# Altium PCB MidFlg_V2.PcbDoc (continued)
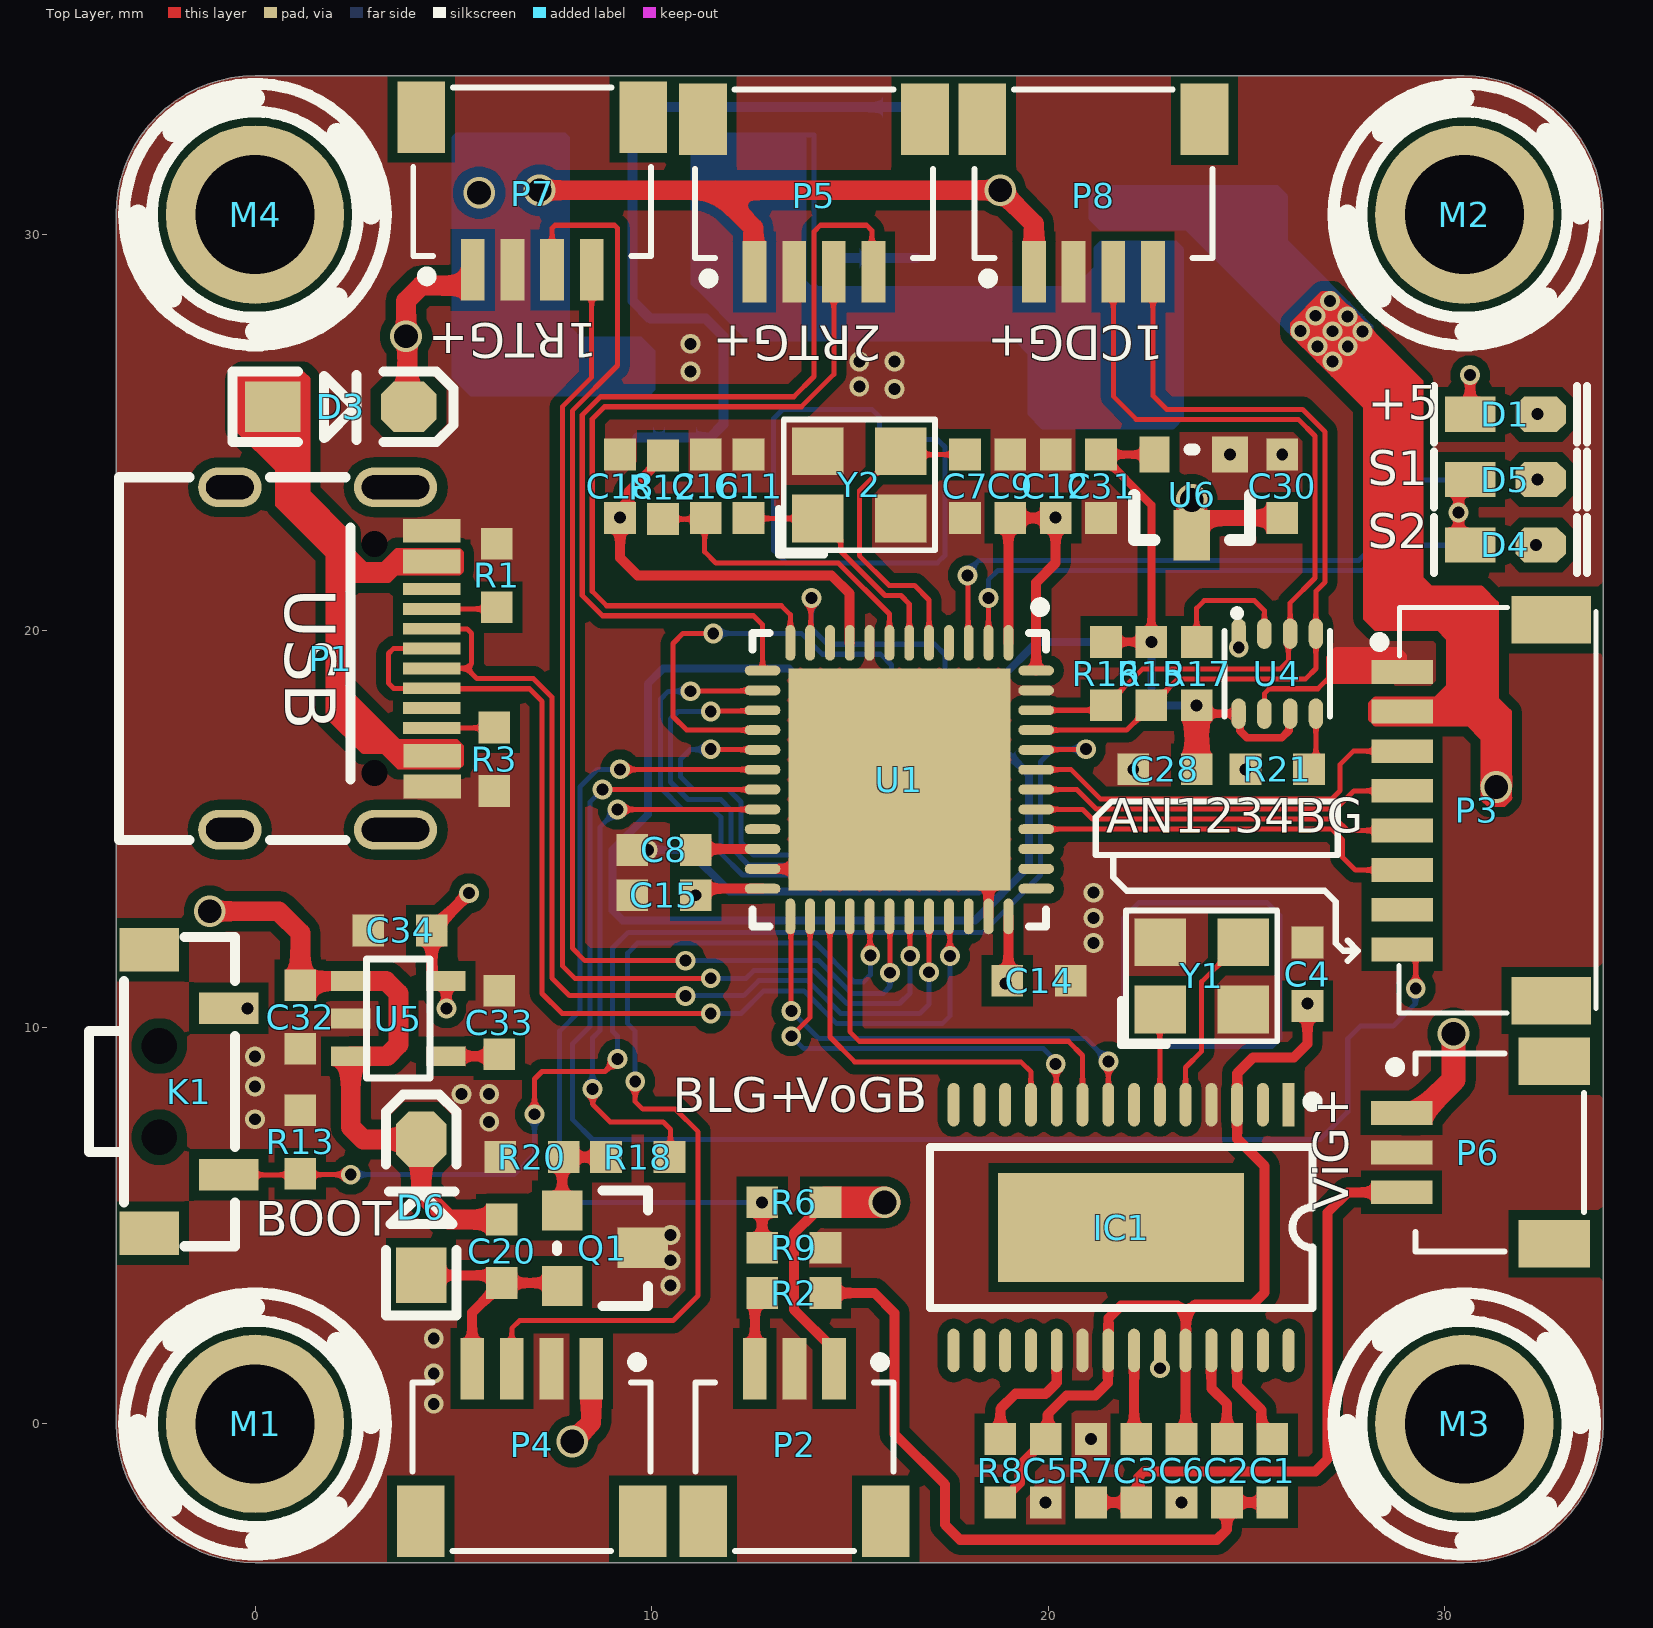
[diagram p0: Top Layer view]
## Components (designator, comment, footprint, x,y, rotation, side; value= is the part's Value field where it differs from the comment)
C1 "47UF" 电容_C0603 25.654,-1.143 r270 top
C2 "47UF" 电容_C0603 24.511,-1.143 r270 top
C3 "100NF" 电容_C0603 22.225,-1.143 r270 top
C4 "100NF" 电容_C0603 26.543,11.303 r90 top
C5 "100NF" 电容_C0603 19.939,-1.219 r90 top
C6 "100NF" 电容_C0603 23.368,-1.219 r90 top
C7 "22PF" 电容_C0603 17.907,23.61 r90 top
C8 "4.7UF" 电容_C0603 10.35,14.478 r180 top
C9 "100NF" 电容_C0603 19.05,23.685 r270 top
C10 "100NF" 电容_C0603 18.796,16.256 r90 bottom
C11 "22PF" 电容_C0603 12.446,23.685 r270 top
C12 "100NF" 电容_C0603 20.193,23.685 r270 top
C13 "100NF" 电容_C0603 16.7,19.558 r270 bottom
C14 "100NF" 电容_C0603 19.812,11.176 r180 top
C15 "100NF" 电容_C0603 10.275,13.335 r0 top
C16 "100NF" 电容_C0603 11.367,23.685 r270 top
C17 "100NF" 电容_C0603 15.367,19.558 r270 bottom
C18 "100NF" 电容_C0603 9.207,23.685 r270 top
C19 "10NF" 电容_C0603 14.859,28.575 r90 bottom
C20 "100NF" 电容_C0603 6.223,4.318 r90 top
C23 "100NF" 电容_C0603 6.413,25.654 r90 bottom
C24 "1UF" 电容_C0603 7.493,25.654 r90 bottom
C25 "22UF" 电容_C0603 8.572,25.654 r90 bottom
C26 "1UF" 电容_C0603 25.463,31.496 r270 bottom
C27 "10UF" 电容_C0603 24.32,31.496 r270 bottom
C28 "100NF" 电容_C0603 22.987,16.51 r180 top
C30 "100NF" 电容_C0603 25.908,23.685 r270 top
C31 "100NF" 电容_C0603 21.336,23.61 r90 top
C32 "1UF" 电容_C0603 1.143,10.223 r90 top
C33 "22NF" 电容_C0603 6.159,10.16 r270 top
C34 "1UF" 电容_C0603 3.619,12.446 r0 top
D1 "LED" "LED 0603B" 31.534,25.457 r0 top
D3 "1N4148" SOD-123 2.159,25.654 r0 top
D4 "LED" "LED 0603B" 31.534,22.162 r0 top
D5 "LED" "LED 0603B" 31.534,23.812 r0 top
D6 "1N4148" SOD-123 4.191,5.461 r90 top
D7 "1N5819" SMA 19.494,26.035 r0 bottom
IC1 "AT7456E" TSSOP28_L_E 21.844,4.953 r270 top
K1 "Button" "TSW 3*6*4.3-S-W" -2.413,8.382 r270 top
L1 "22UH" L0630 9.446,30.607 r0 bottom
M1 "" M3 0,0 r0 top locked
M2 "" M3 30.5,30.5 r0 top locked
M3 "" M3 30.5,0 r0 top locked
M4 "" M3 0,30.5 r0 top locked
P1 "TypeC" TypeC -0.635,19.304 r270 top
P2 "Header 3" "SH1.0 S-W-3P" 13.597,-3.203 r0 top
P3 "Header 8" "SH1.0 S-W-8P" 30.988,14.478 r90 top
P4 "Header 4" "SH1.0 S-W-4P" 6.977,-3.203 r0 top
P5 "Header 4" "SH1.0 S-W-4P" 14.097,33.655 r180 top
P6 "Header 3" "SH1.0 S-W-3P" 33.516,6.836 r90 top
P7 "Header 4" "SH1.0 S-W-4P" 6.991,33.706 r180 top
P8 "Header 4" "SH1.0 S-W-4P" 21.145,33.655 r180 top
Q1 "SS8050" SOT23 7.731,5.509 r270 top
R1 "5.1K" 电阻_R0603 6.096,21.399 r90 top
R2 "75R" 电阻_R0603 13.589,3.302 r0 top
R3 "5.1K" 电阻_R0603 6.032,16.764 r270 top
R4 "4.7K" 电阻_R0603 31.534,25.463 r180 bottom
R6 "10K" 电阻_R0603 13.589,5.588 r0 top
R7 "75R" 电阻_R0603 21.082,-1.181 r90 top
R8 "1K" 电阻_R0603 18.796,-1.181 r90 top
R9 "1K" 电阻_R0603 13.589,4.445 r0 top
R10 "1K" 电阻_R0603 31.496,22.162 r180 bottom
R11 "1K" 电阻_R0603 31.534,23.812 r180 bottom
R12 "10K" 电阻_R0603 10.287,23.622 r90 top
R13 "10K" 电阻_R0603 1.143,7.112 r270 top
R14 "51K" 电阻_R0603 9.652,25.68 r90 bottom
R15 "1K" 电阻_R0603 22.606,18.923 r90 top
R16 "1K" 电阻_R0603 21.463,18.923 r90 top
R17 "10K" 电阻_R0603 23.749,18.923 r270 top
R18 "100R" 电阻_R0603 9.652,6.731 r0 top
R19 "17K" 电阻_R0603 10.731,25.68 r270 bottom
R20 "10K" 电阻_R0603 6.985,6.731 r180 top
R21 "10K" 电阻_R0603 25.781,16.51 r0 top
U1 "STM32F411CEU6" UFQFPN48 16.25,16.25 r270 top
U2 "MPU6500" QFN-24_L3.0-W3.0-P0.40-BL-EP 16.25,16.25 r90 bottom
U3 "TPS54530" SOP8 16.726,29.375 r0 bottom
U4 "BMP280" SENSOR-TH_BMP280-BL 25.781,18.923 r270 top
U5 "RT9193" SOT23-5 2.413,11.174 r270 top
U6 "SC662K" SOT-23 25.8,21.392 r180 top
Y1 "27MHZ" "OSC 3225-4P" 23.876,11.303 r0 top
Y2 "8MHZ" "OSC 3225-4P" 15.24,23.685 r0 top

## Footprints (in the part's own frame and the unit in brackets; to place one, negate y for a bottom-side part, rotate by r counter-clockwise, add the part's x,y. Pads: shape width x height; smd on the part's side, far side on the other; paste and mask are expansions set on the pad)
L0630 [mm]
  rect 2.8x3.7 smd: 1(-3,0) 2(3,0)
  silkscreen extent -3.5,-3.3 3.5,3.3, body extent -3.5,-3 3.5,3, height 3.18
"LED 0603B" [mil] "蓝色0603LED                             淘宝ID:黄晶宝石"
  rect 50x35 smd: 1(-35,0.26)
  oct 50x35 smd: 2(35,0.26)
  silkscreen extent -71,-28 81,28, body extent -31,-16 32,16, height 24
M3 [mm]
  round 4.5 hole 3: 1(0,0)
  silkscreen extent -3.3,-3.3 3.3,3.3
"OSC 3225-4P" [mm] "3.2*2.5*0.7mm(长宽高)                         淘宝ID:黄晶宝石"
  rect 1.3x1.2 smd: 1(-1.05,-0.85) 2(1.05,-0.85) 3(1.05,0.85) 4(-1.05,0.85)
  silkscreen extent -2.03,-1.75 1.91,1.65, body extent -1.6,-1.25 1.6,1.25, height 0.7
QFN-24_L3.0-W3.0-P0.40-BL-EP [mm]
  rect 0.2x0.505 smd: 1(-0.981,-1.427) 2(-0.6,-1.427) 3(-0.2,-1.427) 4(0.2,-1.427) 5(0.6,-1.427) 6(0.981,-1.427) 13(0.981,1.428) 14(0.6,1.428) 15(0.2,1.428) 16(-0.2,1.428) 17(-0.6,1.428) 18(-0.981,1.428)
  rect 0.505x0.2 smd: 7(1.428,-0.981) 8(1.428,-0.6) 9(1.428,-0.2) 10(1.428,0.2) 11(1.428,0.6) 12(1.428,0.981) 19(-1.427,0.981) 20(-1.427,0.6) 21(-1.427,0.2) 22(-1.427,-0.2) 23(-1.427,-0.6) 24(-1.427,-0.981)
  rect 1.7x1.7 smd: 25(0,0)
  silkscreen extent -1.58,-2.05 1.58,1.58, body extent -1.5,-1.5 1.5,1.5, height 0.9
SENSOR-TH_BMP280-BL [mm]
  oval 0.767x0.363 smd mask+0.051: 1(-1.008,-0.975) 2(-1.008,-0.325) 3(-1.008,0.325) 4(-1.008,0.975) 5(1.008,0.975) 6(1.008,0.325) 7(1.008,-0.325) 8(1.008,-0.975)
  silkscreen extent -1.61,-1.33 1.08,1.33, body extent -1,-1.25 1,1.25, height 0.97
"SH1.0 S-W-3P" [mm]
  rect 1.2x1.8 smd: 0(-2.292,0.75) 0(2.308,0.75)
  rect 0.6x1.55 smd: 1(1.008,4.6) 2(0.008,4.6) 3(-0.992,4.6)
  silkscreen extent -2.49,0 2.51,4.89, body extent -2.68,-0.08 2.68,4.92, height 3.15
"SH1.0 S-W-4P" [mm]
  rect 1.2x1.8 smd: 0(-2.8,0.75) 0(2.8,0.75)
  rect 0.6x1.55 smd: 1(1.5,4.6) 2(0.5,4.6) 3(-0.5,4.6) 4(-1.5,4.6)
  silkscreen extent -3,0 3,4.89, body extent -3.17,0.02 3.17,5.02, height 3.2
"SH1.0 S-W-8P" [mm]
  rect 1.2x2 smd: 0(-3.8,-1.7) 0(5.8,-1.7)
  rect 0.6x1.55 smd: 1(4.489,2.057) 2(3.489,2.057) 3(2.489,2.057) 4(1.489,2.057) 5(0.489,2.057) 6(-0.511,2.057) 7(-1.511,2.057) 8(-2.511,2.057)
  silkscreen extent -4.11,-2.83 6.11,2.75, body extent -4.19,-2.65 6.16,2.35, height 3.2
SMA [mm] "4.5x2.6*2.2mm（长宽高，不包括引脚）"
  rect 2.2x1.75 smd: 1(-2.3,0) 2(2.3,0)
  silkscreen extent -2.7,-1.52 3.56,1.52, body extent -2.52,-1.3 2.57,1.3, height 2.15
SOD-123 [mil] "2.7x1.6X1.1mm（长宽高，不包括引脚） 淘宝ID:黄晶宝石"
  rect 55x50 smd: 1(-67.5,0)
  oct 55x50 smd: 2(67.5,0)
  silkscreen extent -108,-35 112,35, body extent -73,-31 73,31, height 48
SOP8 [mil] "封装库来自淘宝卖家 ID：黄晶宝石"
  oval 80x24 smd: 1(-1,-1) 2(-1,-51) 3(-1,-101) 4(-1,-151) 5(219,-151) 6(219,-101) 7(219,-51) 8(219,-1)
  silkscreen extent 59,-176 159,24, body extent -4,-174 234,24, height 63
SOT23 [mil] "封装库来自淘宝卖家 ID：黄晶宝石"
  rect 40x40 smd: 1(4.88,0.63) 3(79.88,0.63)
  rect 40x50 smd: 2(41.88,80.63)
  silkscreen extent -15,-4 100,86, body extent -15,-11 99,99, height 47
SOT23-5 [mm]
  rect 0.5x1 smd: 1(0,0) 2(0.95,0) 3(1.9,0) 4(1.9,2.4) 5(0,2.4)
  silkscreen extent -0.55,0.4 2.45,2, body extent -0.5,-0.2 2.4,2.6, height 1.09
SOT-23 [mil] "封装库来自淘宝卖家 ID：黄晶宝石"
  rect 36x36 smd: 1(47.76,-120.28)
  rect 30x36 smd: 2(122.76,-120.28)
  rect 36x50 smd: 3(85.76,-40.28)
  silkscreen extent 28,-125 143,-35, body extent 25,-131 139,-21, height 47
TSSOP28_L_E [mm]
  rect 2.75x6.2 smd: 0(0,0)
  rect 1.1x0.3 smd: 1(-3.1,4.225)
  oval 1.1x0.3 smd: 2(-3.1,3.575) 3(-3.1,2.925) 4(-3.1,2.275) 5(-3.1,1.625) 6(-3.1,0.975) 7(-3.1,0.325) 8(-3.1,-0.325) 9(-3.1,-0.975) 10(-3.1,-1.625) 11(-3.1,-2.275) 12(-3.1,-2.925) 13(-3.1,-3.575) 14(-3.1,-4.225) 15(3.1,-4.225) 16(3.1,-3.575) 17(3.1,-2.925) 18(3.1,-2.275) 19(3.1,-1.625) 20(3.1,-0.975) 21(3.1,-0.325) 22(3.1,0.325) 23(3.1,0.975) 24(3.1,1.625) 25(3.1,2.275) 26(3.1,2.925) 27(3.1,3.575) 28(3.1,4.225)
  silkscreen extent -3.3,-4.83 2.03,4.96, body extent -3.2,-4.9 3.2,4.9, height 1.03
"TSW 3*6*4.3-S-W" [mm] "侧立贴片3*6*4.3          淘宝ID:黄晶宝石"
  rect 1.1x1.5 smd: 0(-3.575,-0.25) 0(3.575,-0.25)
  round 0 hole 0.9: 0(-1.15,0) 0(1.15,0)
  rect 0.8x1.5 smd: 1(2.1,1.75) 2(-2.1,1.75)
  silkscreen extent -3.9,-1.78 3.9,1.91, body extent -3.9,-1.79 3.9,1.91, height 3.51
TypeC [mm]
  round 0 hole 0.65: 0(-2.89,3.65) 0(2.89,3.65)
  oval 1x2.1 hole 0.6 slot 1.7 at 90 deg: 1(-4.32,4.18) 1(4.32,4.18)
  oval 1x1.6 hole 0.6 slot 1.2 at 90 deg: 1(-4.32,0) 1(4.32,0)
  rect 0.3x1.45 smd: A1(-3.375,5.092) A4(-2.6,5.092) A5(-1.25,5.092) A6(-0.25,5.092) A7(0.25,5.092) A8(-1.75,5.092) A9(2.6,5.1) A12(3.375,5.1) B1(3.075,5.1) B4(2.3,5.1) B5(1.75,5.092) B6(0.75,5.092) B7(-0.75,5.092) B8(1.25,5.092) B9(-2.3,5.092) B12(-3.075,5.092)
  silkscreen extent -4.57,-2.79 4.57,3.05, body extent -4.47,-2.6 4.47,5.3, height 3.25
UFQFPN48 [mm] "QFN, 48-Leads, Body 7.1x7.1mm, Pitch 0.5mm, Thermal Pad 5.6x5.6mm, IPC Medium Density"
  oval 0.9x0.25 smd: 1(-3.45,2.75) 2(-3.45,2.25) 3(-3.45,1.75) 4(-3.45,1.25) 5(-3.45,0.75) 6(-3.45,0.25) 7(-3.45,-0.25) 8(-3.45,-0.75) 9(-3.45,-1.25) 10(-3.45,-1.75) 11(-3.45,-2.25) 12(-3.45,-2.75) 25(3.45,-2.75) 26(3.45,-2.25) 27(3.45,-1.75) 28(3.45,-1.25) 29(3.45,-0.75) 30(3.45,-0.25) 31(3.45,0.25) 32(3.45,0.75) 33(3.45,1.25) 34(3.45,1.75) 35(3.45,2.25) 36(3.45,2.75)
  oval 0.25x0.9 smd: 13(-2.75,-3.45) 14(-2.25,-3.45) 15(-1.75,-3.45) 16(-1.25,-3.45) 17(-0.75,-3.45) 18(-0.25,-3.45) 19(0.25,-3.45) 20(0.75,-3.45) 21(1.25,-3.45) 22(1.75,-3.45) 23(2.25,-3.45) 24(2.75,-3.45) 37(2.75,3.45) 38(2.25,3.45) 39(1.75,3.45) 40(1.25,3.45) 41(0.75,3.45) 42(0.25,3.45) 43(-0.25,3.45) 44(-0.75,3.45) 45(-1.25,3.45) 46(-1.75,3.45) 47(-2.25,3.45) 48(-2.75,3.45)
  rect 5.6x5.6 smd: 49(0,0)
  silkscreen extent -4.47,-3.7 3.7,3.7, body extent -3.51,-3.51 3.49,3.49, height 1.1
电容_C0603 [mm]
  rect 0.8x0.8 smd: 1(-0.762,0) 2(0.838,0)
  body extent -0.76,-0.4 0.84,0.4, height 0.3
电阻_R0603 [mm]
  rect 0.8x0.8 smd: 1(-0.8,0) 2(0.8,0)
  body extent -0.8,-0.4 0.8,0.4, height 0.45

## Part data
C1 C2 C3 C4 C5 C6 C7 C8 C9 C10 C11 C12 C13 C14 C15 C16 C17 C18 C19 C20 C23 C24 C25 C26 C27 C28 C30 C31 C32 C33 C34: library part CAP, U=50V, 参数=Cap,0805,X7R,104K,50V,125C,±10%
D1 D4 D5: "发光二极管", 技术支持，联系售后=https://shop463601444.taobao.com
D3 D6 D7: "二极管"
  D3 D6: 技术支持，联系售后=https://shop463601444.taobao.com
  D7: Code_JEDEC=DO-214-AA, LatestRevisionDate=17-Jul-2002, LatestRevisionNote="Re-released for DXP Platform.", PackageReference=SMB, Published=8-Jun-2000, Publisher="Altium Limited"
IC1: "OSD芯片"
L1: library part Inductance, _Current=10A, _Accuracy=20%, _Comma=,, _Footprint=1040, _Name=IND, _Specification=IND,1040,,10A,20%
M1 M2 M3 M4: library part Pad, _Comma=,, _Funcyusa=Test, _Name=Pad, _Specification=Pad,Test,
Q1: library part 8050-SMD, "高频放大-NPN型", BOM名称=高频放大-NPN型, 属性="40V 1.5A 1W 100MHZ", 版权归属="封装库来自淘宝 ID：黄晶宝石", 联系售后=https://shop463601444.taobao.com
R1 R2 R3 R4 R6 R7 R8 R9 R10 R11 R12 R13 R14 R15 R16 R17 R18 R19 R20 R21: library part Res, P=1/8W, 参数=Res,0805,0R,±1%,1/8W,100ppm,155C
U1: library part STM32F411CE, I/Os (High Current)=36, Manufacturer=STMicroelectronics, Operating Frequency(F) (Processor speed) (MHz)=84, PartNumber=STM32F401CCU6, Supplier Part Number 1=19X6217, Supply Voltage(Vcc) max (V)=3.6, Supply Voltage(Vcc) min (V)=1.8, ComponentLink1Description="Manufacturer URL", ComponentLink1URL=http://www.st.com/web/en/home.html, ComponentLink2Description=Datasheet, ComponentLink2URL=http://www.st.com/st-web-ui/static/active/en/resource/technical/document/data_brief/DM00071938.pdf, ComponentLink3Description="Package Specification", ComponentLink3URL=http://www.st.com/st-web-ui/static/active/en/resource/technical/document/data_brief/DM00071938.pdf, Core="ARM Cortex-M4", DatasheetVersion="Rev. 1", FLASH Size (Prog) (kB)=256, Internal RAM Size (kB)=64, Mounting Technology="Surface Mount", PackageDescription="48-Pin Ultra Thin Fine Pitch Quad Flat No-Lead, 7 x 7 x 0.6 mm Body, 0.5 mm Pitch, Exposed Pad", PackageReference=UFQFPN48, PackageVersion="Rev. 1, 04/2013", Packing=Tray, Supplier 1=Newark, Supplier 2=Mouser, Supplier Part Number 2=511-STM32F401CCU6
U6: "三端稳压芯片", BOM名称=稳压芯片, 欢迎光临淘宝店铺=https://shop463601444.taobao.com, 淘宝ID="封装库来自淘宝 ID：黄晶宝石"
Y1 Y2: library part XTAL
K1: _Comma=,, _Model=SKRP, _Name=KEY, _Specification=KEY,SKRP,*
P2 P3 P4 P5 P6 P7 P8: LatestRevisionDate=17-Jul-2002, LatestRevisionNote="Re-released for DXP Platform.", Publisher="Altium Limited"

## Via types
v1: diameter 0.5, hole 0.3, Top Layer to Bottom Layer, 86 vias
v2: diameter 0.8, hole 0.6, Top Layer to Bottom Layer, 10 vias

## Nets (pads, with @x,y where several pads share a name; then routed paths per layer and width w, separated by ;. In a path a pad name is that pad's centre, name@x,y a point inside that pad or via, vN(x,y) a via of type N, cw(c..) or ccw(c..) an arc to the next point about the centre after c; other vN are vias at no path point)
ADC_CURRENT(PB1): P3.8 U1.19 | length 38.2
  Top Layer w0.127: v1(8.763,16.002) 8.765,16 U1.19 ; P3.8 29.037,11.967 29.273,11.731 v1(29.273,10.986)
  Bottom Layer w0.127: v1(8.763,16.002) 8.444,15.683 8.444,10.023 8.001,9.581 8.001,7.683 8.509,7.175 26.86,7.175 27.559,7.874 27.559,9.716 27.877,10.033 28.702,10.033 29.264,10.595 29.264,10.976 v1(29.273,10.986)
BAT_ADC(PB0): R6.1 R9.1 U1.18 | length 21.5
  Top Layer w0.127: v1(9.207,16.51) 9.213,16.505 12.795,16.505 U1.18
  Top Layer w0.254: R9.1 v1(12.789,5.588)
  Bottom Layer w0.127: v1(9.207,16.51) 8.636,16.51 8.191,16.066 8.191,10.414 7.683,9.906 7.683,6.032 8.128,5.588 v1(12.789,5.588)
BEEPER(PB2): R18.2 U1.20 | length 14.3
  Top Layer w0.127: v1(8.509,8.445) 8.518,8.436 8.518,8.055 8.954,7.62 10.287,7.62 10.477,7.429 10.477,6.757 R18.2 ; v1(9.144,15.494) 9.147,15.497 12.797,15.497 U1.20
  Bottom Layer w0.127: v1(8.509,8.445) 8.509,9.732 8.696,9.919 8.696,15.046 v1(9.144,15.494)
BEEPER_OUT: C20.1 D6.1 P4.4 Q1.3 | length 6.1
  Top Layer w0.254: D6.1 6.032,3.746 C20.1 ; P4.4 5.477,2.81 C20.1 ; Q1.3 7.671,3.556 C20.1
CAM_IN: C3.2 P6.3 R7.1 | length 15
  Top Layer w0.254: R7.1 C3.2 22.273,-1.933 22.273,-1.349 22.422,-1.2 26.74,-1.2 27.051,-0.889 27.051,5.334 27.559,5.842 P6.3@28.897,5.842
GND: C4.2 C5.1 C6.1 C7.1 C8.2 C9.1 C10.1 C11.1 C12.1 C13.1 C14.1 C15.1 C16.1 C17.1 C18.1 C23.1 C24.1 C25.1 C26.1 C27.1 C28.2 C30.1 C31.1 C32.1 C33.1 C34.1 D7.1 IC1.4 IC1.20 IC1.23 P1.0 P1.A1 P1.A12 P1.B1 P1.B12 P2.2 P3.1 P4.2 P5.2 P6.2 P7.2 P8.2 Q1.2 R1.2 R3.2 R4.2 R7.2 R9.2 R13.1 R19.1 R20.2 R21.1 U1.8 U1.23 U1.35 U1.47 U1.49 U2.18 U2.20 U2.25 U3.6 U4.1 U4.7 U5.2 U6.1 Y1.2 Y1.4 Y2.2 Y2.4 | length 31.9
  Top Layer w0.127: U4.7 25.456,18.419 25.578,18.542 26.804,18.542 26.993,18.731 ; 26.993,18.731 28.694,18.731 P3.1 28.995,19.031 28.995,19.368 28.83,19.533 27.278,19.533 27.08,19.335 27.08,18.818 26.993,18.731
  Top Layer w0.254: U1.23 14,14 U1.49 18.5,14 U1.35
  Bottom Layer w0.127: U2.25 16.85,15.65 U2.25@17.037,15.464
  Bottom Layer w0.2: v1(9.906,14.478) 10.922,14.478 11.971,13.429 16.287,13.429 ; U2.25@16.85,15.65 U2.20 16.85,13.993 16.287,13.429 ; U2.18 18.571,15.269 C10.1 18.796,13.977 18.248,13.429 16.287,13.429
  other v1: 19.939,-1.981 23.368,-1.981 21.082,-0.381 4.508,0.508 4.508,1.27 22.827,1.404 4.508,2.159 10.477,3.492 10.477,4.127 10.477,4.763 5.905,7.62 0,7.683 5.207,8.319 5.905,8.319 0,8.509 0,9.271 21.145,12.128 21.145,12.763 21.145,13.399 22.149,16.51 24.981,16.51 24.81,19.583 24.587,24.447 25.908,24.447 16.129,26.098 15.24,26.162 10.986,26.543 15.24,26.797 16.129,26.797 10.986,27.241
GYRO_INT(PA1): U1.11 U2.12 | length 7.3
  Top Layer w0.127: U1.11 14.017,19.717 14.017,20.811 v1(14.034,20.828)
  Bottom Layer w0.127: v1(14.034,20.828) 14.034,20.066 14.435,19.664 17.139,19.664 17.399,19.404 17.399,18.352 17.231,18.184 U2.12
GYRO_SPI1_CS(PA4): U1.14 U2.22 | length 12.8
  Top Layer w0.127: v1(10.986,18.479) 10.996,18.489 12.789,18.489 U1.14
  Bottom Layer w0.127: v1(10.986,18.479) 10.425,18.479 10.225,18.279 10.225,16.051 10.783,15.494 11.557,15.494 11.747,15.303 11.747,14.394 12.294,13.847 15.473,13.847 16.05,14.424 U2.22
GYRO_SPI1_MISO(PA6): U1.16 U2.9 | length 11.7
  Top Layer w0.127: v1(11.557,19.939) 10.795,19.939 10.541,19.685 10.541,17.843 10.885,17.5 U1.16
  Bottom Layer w0.127: v1(11.557,19.939) 13.779,19.939 14.306,19.412 15.778,19.412 16.05,19.14 U2.9
GYRO_SPI1_MOSI(PA7): U1.17 U2.24 | length 9
  Top Layer w0.127: v1(11.493,17.018) 11.502,17.009 12.791,17.009 U1.17
  Bottom Layer w0.127: v1(11.493,17.018) 11.484,17.009 10.975,17.009 10.731,16.765 10.731,16.32 11.049,16.002 11.938,16.002 12.255,15.684 12.255,14.668 12.573,14.351 15.144,14.351 15.269,14.476 U2.24 U2.24@15.258,14.812
GYRO_SPI1_SCK(PA5): U1.15 U2.23 | length 11.2
  Top Layer w0.127: v1(11.493,17.97) 11.508,17.985 12.785,17.985 U1.15
  Bottom Layer w0.127: v1(11.493,17.97) 10.668,17.97 10.477,17.78 10.477,16.192 10.922,15.748 11.747,15.748 12.002,15.494 12.002,14.541 12.444,14.099 15.369,14.099 15.65,14.38 U2.23
I2C1_SCL(PB8): P8.4 R15.1 U1.45 U4.4 | length 21.6
  Top Layer w0.127: U1.45 21.983,17.5 R15.1 23.277,18.794 26.498,18.794 26.756,19.052 26.756,21.002 26.986,21.232 26.986,25.021 26.416,25.59 22.987,25.59 22.646,25.932 P8.4
I2C1_SDA(PB9): P8.3 R16.1 U1.46 U4.3 | length 21.5
  Top Layer w0.127: U1.46 21.34,18 R16.1 22.386,19.046 25.856,19.046 26.061,19.251 26.061,19.886 U4.3 26.106,20.709 26.733,21.336 26.733,24.917 26.314,25.336 22.225,25.336 21.646,25.916 P8.3
MOTOR1(PB4): P3.6 U1.40 | length 9.9
  Top Layer w0.127: U1.40 27.164,15 27.432,14.732 27.432,14.287 27.749,13.97 28.928,13.97 P3.6
MOTOR2(PB5): P3.5 U1.41 | length 9.5
  Top Layer w0.127: U1.41 20.871,15.5 21.119,15.252 27.268,15.252 27.553,14.967 P3.5
MOTOR3(PB6): P3.4 U1.42 | length 9.6
  Top Layer w0.127: U1.42 20.728,16 21.224,15.504 27.252,15.504 27.715,15.967 P3.4
MOTOR4(PB7): P3.3 U1.43 | length 10.4
  Top Layer w0.127: U1.43 20.584,16.5 21.328,15.756 27.147,15.756 27.368,15.977 27.368,16.637 27.699,16.967 P3.3
NetC1_1: C1.1 IC1.26 | length 2.6
  Top Layer w0.254: IC1.26 24.769,0.968 25.381,0.356 25.381,-0.108 C1.1
NetC1_2: C1.2 C2.2 R2.2 | length 17
  Top Layer w0.254: R2.2 15.621,3.302 16.129,2.794 16.129,-0.254 17.399,-1.524 17.399,-2.54 17.78,-2.921 24.257,-2.921 24.511,-2.667 C2.2 C1.2
NetC2_1: C2.1 IC1.25 | length 2.4
  Top Layer w0.254: IC1.25 24.119,0.9 24.511,0.508 C2.1
NetC3_1: C3.1 IC1.22 | length 2.3
  Top Layer w0.254: IC1.22 22.169,-0.325 C3.1
NetC7_2: C7.2 U1.5 Y2.3 | length 8
  Top Layer w0.127: Y2.3@16.24,24.535 15.24,23.536 15.24,21.898 15.992,21.145 16.637,21.145 17,20.782 U1.5 ; Y2.3 16.378,24.447 C7.2
NetC8_1: C8.1 U1.22 | length 1.7
  Top Layer w0.254: C8.1 11.134,14.5 U1.22
NetC11_2: C11.2 U1.6 Y2.1 | length 5.8
  Top Layer w0.127: C11.2 12.458,22.836 Y2.1 ; Y2.1@14.416,22.53 14.546,22.53 14.777,22.299 14.777,22.005 15.89,20.892 16.29,20.892 16.5,20.681 U1.6
NetC13_2: C13.2 U2.10 | length 1.1
  Bottom Layer w0.2: U2.10 16.45,18.47 C13.2
NetC16_2: C16.2 R12.1 U1.7 | length 7.6
  Top Layer w0.127: R12.1 11.341,22.822 C16.2 ; C16.2@11.341,22.505 11.341,21.996 11.622,21.715 14.71,21.715 16,20.425 U1.7
NetC19_1: C19.1 D7.2 L1.2 U3.8 | length 39.8
  Bottom Layer w0.127: L1.2@11.049,28.765 11.049,32.512 14.095,32.512 14.097,32.51 14.097,28.713 14.171,28.639 20.701,28.639 21.209,29.146 21.209,29.643 21.347,29.781 23.21,29.781 23.368,29.624 23.368,25.374 23.14,25.146 19.875,25.146 19.542,25.479 19.542,27.009 19.183,27.368 12.446,27.368 L1.2@11.049,28.765
NetC19_2: C19.2 U3.1 | length 1.8
  Bottom Layer w0.254: C19.2 14.871,29.4 U3.1
NetC33_2: C33.2 U5.4 | length 1.4
  Top Layer w0.254: U5.4 6.111,9.273 C33.2
NetD1_2: D1.2 R4.1
  other v1: 32.343,25.472
NetD4_2: D4.2 R10.1
  other v1: 32.305,22.17
NetD5_2: D5.2 R11.1
  other v1: 32.343,23.821
NetIC1_5: IC1.5 Y1.3 | length 4.7
  Top Layer w0.127: IC1.5 23.469,8.991 23.876,9.398 23.876,11.153 24.876,12.153 Y1.3
NetIC1_6: IC1.6 Y1.1 | length 2.4
  Top Layer w0.127: IC1.6 22.819,10.446 Y1.1
NetIC1_19: IC1.19 R8.2 | length 3.3
  Top Layer w0.254: R8.2 18.796,0.381 19.177,0.762 19.939,0.762 20.219,1.042 IC1.19
NetK1_1: K1.1 R13.2 U1.44 | length 32
  Top Layer w0.127: K1.1 1.113,6.282 R13.2 1.169,6.286 v1(2.413,6.286) ; v1(7.048,7.81) 7.048,8.7 7.239,8.89 8.826,8.89 v1(9.144,9.207) ; U1.44 19.709,17.009 20.946,17.009 v1(20.955,17.018)
  Bottom Layer w0.127: v1(2.413,6.286) 6.54,6.286 7.048,6.794 v1(7.048,7.81) ; v1(9.144,9.207) 9.144,9.779 9.017,9.906 9.017,12.002 9.416,12.4 18.369,12.4 19.812,13.843 19.812,16.7 20.13,17.018 v1(20.955,17.018)
NetP1_A5: P1.A5 R1.1 | length 1.7
  Top Layer w0.127: P1.A5 6.051,20.554 R1.1
NetP1_B5: P1.B5 R3.1 | length 1.6
  Top Layer w0.127: P1.B5 6.023,17.554 R3.1
NetQ1_1: Q1.1 R18.1 R20.1 | length 2.4
  Top Layer w0.254: Q1.1 7.747,6.693 R20.1 R18.1
NetR10_2: R10.2 U1.2 | length 14.2
  Top Layer w0.127: v1(18.496,20.828) 18.498,20.826 18.498,19.702 U1.2
  Bottom Layer w0.127: v1(18.496,20.828) 18.496,21.29 18.732,21.526 27.94,21.526 28.575,22.162 R10.2
NetR11_2: R11.2 U1.3 | length 16.1
  Top Layer w0.127: v1(17.97,21.399) 17.985,21.385 17.985,19.715 U1.3
  Bottom Layer w0.127: v1(17.97,21.399) 17.97,21.5 18.251,21.78 27.838,21.78 28.448,22.391 28.448,23.368 28.892,23.812 R11.2
NetR14_1: R14.1 R19.2 U3.4 | length 18.9
  Bottom Layer w0.254: R14.1 R19.2 11.481,24.88 11.811,25.209 11.811,27.432 11.367,27.877 9.97,27.877 9.525,28.321 9.525,32.703 10.033,33.21 U3.4
NetR17_1: R17.1 U4.2 | length 3.3
  Top Layer w0.127: R17.1 23.749,20.574 23.939,20.764 25.209,20.764 25.456,20.518 U4.2
NetR21_2: R21.2 U4.5 | length 1.5
  Top Layer w0.127: R21.2 26.756,16.685 U4.5
OSD_OUT: P2.3 R2.1 | length 2
  Top Layer w0.254: P2.3 12.605,3.118 R2.1
OSD_SPI2_CS(PB12): IC1.8 U1.25 | length 12
  Top Layer w0.127: U1.25 13.513,12.787 13.513,10.427 v1(13.525,10.414) ; IC1.8 21.523,8.057 21.523,9.14 v1(21.526,9.144)
  Bottom Layer w0.127: v1(13.525,10.414) 14.224,9.716 20.955,9.716 v1(21.526,9.144)
OSD_SPI2_MISO(PB14): IC1.11 U1.27 | length 9.3
  Top Layer w0.127: U1.27 14.5,9.757 15.124,9.133 19.315,9.133 19.569,8.879 IC1.11
OSD_SPI2_MOSI(PB15): IC1.9 U1.28 | length 10.3
  Top Layer w0.127: U1.28 15,9.892 15.24,9.652 20.511,9.652 20.869,9.294 IC1.9
OSD_SPI2_SCK(PB13): IC1.10 U1.26 | length 11.3
  Top Layer w0.127: v1(13.525,9.779) 14,10.254 U1.26 ; v1(20.193,9.08) 20.206,9.067 20.206,8.066 IC1.10
  Bottom Layer w0.127: v1(13.525,9.779) 13.841,9.463 19.884,9.463 20.193,9.154 v1(20.193,9.08)
USART1_RX(PA10): P7.4 U1.31 | length 29.2
  Top Layer w0.127: P7.4 8.491,26.398 7.749,25.656 7.749,11.555 8.064,11.239 v1(11.493,11.239) ; U1.31 U1.31@16.505,12.795 ; v1@16.514,11.815 U1.31@16.514,12.786
  Bottom Layer w0.127: v1(11.493,11.239) 12.383,11.239 12.575,11.432 14.095,11.432 14.924,10.603 16.256,10.603 16.523,10.869 v1(16.523,11.806)
USART1_TX(PA9): P7.3 U1.30 | length 31.7
  Top Layer w0.127: P7.3 7.491,30.158 7.565,30.232 9.07,30.232 9.144,30.158 9.144,26.695 8.001,25.552 8.001,12.002 8.319,11.684 v1(10.858,11.684) ; v1(16.013,11.38) U1.30@16.013,12.787
  Bottom Layer w0.127: v1(10.858,11.684) 14.224,11.684 15.05,10.858 15.841,10.858 16.013,11.031 v1(16.013,11.38)
USART2_RX(PA3): P5.4 U1.13 | length 23.1
  Top Layer w0.127: U1.13 12.8,20.156 12.573,20.383 8.763,20.383 8.253,20.894 8.253,25.447 8.712,25.906 11.365,25.906 13.587,25.906 14.097,26.416 14.097,30.071 14.258,30.232 15.425,30.232 15.557,30.099 15.557,29.095 P5.4
USART2_TX(PA2): P5.3 U1.12 | length 19.4
  Top Layer w0.127: U1.12 13.5,20.409 13.273,20.636 8.867,20.636 8.505,20.998 8.505,25.343 8.816,25.654 13.779,25.654 14.597,26.472 P5.3
USB_DM(PA11): P1.A7 P1.B7 U1.32 | length 24.9
  Top Layer w0.127: P1.A7 5.341,19.054 ; P1.B7 5.346,20.054 5.461,19.939 5.461,19.174 5.341,19.054 ; v1(10.858,10.795) 10.853,10.801 7.932,10.801 7.491,11.241 7.491,18.329 7.024,18.796 5.599,18.796 5.341,19.054 ; v1(17,11.393) U1.32 U1.32@17.009,12.791
  Bottom Layer w0.127: v1(10.858,10.795) 10.864,10.801 12.325,10.801 12.704,11.18 13.941,11.18 14.771,10.351 16.764,10.351 17,10.587 v1(17,11.393)
USB_DP(PA12): P1.A6 P1.B6 U1.33 | length 27
  Top Layer w0.127: P1.A6 3.489,19.554 3.365,19.431 3.365,18.682 3.493,18.554 P1.B6 4.469,18.542 6.921,18.542 7.239,18.224 7.239,10.858 7.747,10.351 v1(11.493,10.351) ; U1.33 U1.33@17.513,12.787 ; v1@17.522,11.807 U1.33@17.522,12.778
  Bottom Layer w0.127: v1(11.493,10.351) 12.255,10.351 12.827,10.922 13.843,10.922 14.668,10.096 17.335,10.096 17.531,10.292 v1(17.531,11.798)
VCC_3V3: C9.2 C12.2 C14.2 C15.2 C18.2 C34.2 D4.1 D5.1 K1.2 R12.2 U1.1 U1.9 U1.24 U1.36 U1.48 U5.5 | length 88.9
  Top Layer w0.254: U5.5 4.826,11.161 v1(4.826,10.477) ; C18.2@9.415,22.738 9.207,22.53 9.207,21.844 9.652,21.399 14.541,21.399 14.998,20.943 14.998,19.702 U1.9 ; C18.2@9.415,23.055 9.415,23.499 9.859,23.943 9.859,23.946 10.014,24.101 10.014,24.149 R12.2@10.373,24.508 ; R12.2@10.373,24.191 R12.2@10.411,24.191 ; v1(11.112,13.335) 11.277,13.5 U1.24 ; C14.2@18.999,11.176 19,11.177 U1.36 ; U1.1 19,22.48 C9.2@19.05,22.53 ; C9.2 C12.2 20.193,21.717 19.7,21.224 U1.48 ; D4.1 30.353,22.46 30.353,23.527 D5.1
  Top Layer w0.3: U5.5 4.563,11.174 4.463,11.274 4.463,11.524 4.457,11.529 C34.2 v1(5.397,13.386)
  POWER w0.254: v1(-0.191,10.477) v1(4.826,10.477) ; v1(9.207,22.86) 9.207,21.971 8.763,21.526 2.032,21.526 1.714,21.209 1.714,14.605 2.159,14.16 5.08,14.16 5.35,13.89 5.35,13.433 v1(5.397,13.386) 5.423,13.361 11.087,13.361 v1(11.112,13.335) 18.415,13.335 ; v1(18.923,11.112) 18.923,12.827 18.415,13.335 ; v1(30.353,22.987) 30.346,22.994 26.296,22.994 25.4,22.098 22.987,22.098 21.844,23.241 20.574,23.241 v1(20.193,22.86) 20.193,20.32 19.621,19.748 19.621,14.541 18.415,13.335
VCC_3V3_SEN: C4.1 C5.2 C6.2 C10.2 C17.2 C28.1 C31.2 IC1.3 IC1.21 IC1.24 R8.1 R15.2 R16.2 R17.2 U2.8 U2.13 U4.6 U4.8 U6.2 | length 81.9
  Top Layer w0.2: R16.2 v1(22.606,19.723) 22.606,23.177 C31.2 U6.2 ; R17.2@23.957,17.915 U4.8 24.837,17.883 24.837,17.488 25.019,17.306 25.893,17.306 26.075,17.488 26.075,17.883 U4.6
  Top Layer w0.254: R8.1 19.287,-1.49 19.287,-1.046 19.666,-0.667 19.666,-0.654 C5.2 20,-0.32 20,0.251 20.468,0.719 21.192,0.719 21.51,1.038 21.51,1.844 IC1.21 21.526,1.86 21.526,2.667 21.844,2.984 23.27,2.984 23.478,2.777 ; C6.2 23.469,-0.28 IC1.24 23.478,1.862 23.478,2.777 ; v1(26.543,10.604) C4.1 26.543,9.589 26.201,9.247 25.173,9.247 24.769,8.843 IC1.3 24.769,7.193 25.463,6.498 25.463,3.313 25.168,3.018 23.719,3.018 23.478,2.777
  Top Layer w0.6: C28.1 v1(23.749,18.123)
  POWER w0.254: v1(23.749,18.123) 23.749,14.097 24.003,13.843 26.226,13.843 26.543,13.525 v1(26.543,10.604)
  Bottom Layer w0.2: C17.2 13.792,18.72 13.462,19.05 10.287,19.05 9.906,18.669 9.906,15.367 9.017,14.478 9.017,12.954 9.271,12.7 18.161,12.7 19.523,14.062 19.523,16.366 C10.2 ; U2.8 C17.2@15.65,18.437 ; U2.13 18.659,17.231 C10.2 ; v1(23.749,18.123) 23.743,18.117 22.841,18.117 22.606,18.351 v1(22.606,19.723) 19.723,19.723 18.796,18.796 C10.2
VCC_5V0: C20.2 C23.2 C24.2 C25.2 C30.2 C32.2 D1.1 D3.2 D6.2 L1.1 P4.1 P5.1 P6.1 P7.1 P8.1 R14.2 U5.1 U5.3 U6.3 | length 156.9
  Top Layer w0.254: D1.1 v1(30.645,26.454)
  Top Layer w0.4: U6.3@23.622,22.273 U6.3 ; U6.3@23.622,22.59 23.879,22.848 25.866,22.848 C30.2@25.917,22.796
  Top Layer w0.5: v2(-1.143,12.929) 0.596,12.929 1.143,12.382 C32.2 1.255,11.174 U5.1 3.304,11.174 3.619,10.858 3.619,9.566 3.327,9.273 U5.3 2.413,7.493 2.73,7.175 D6.2 4.191,5.842 4.877,5.156 C20.2 ; D3.2 3.842,25.686 3.842,27.4 v2(3.81,27.432) 3.81,28.321 4.199,28.71 5.441,28.71 5.491,28.76 P7.1 ; v2(7.175,31.115) 11.62,31.115 ; v2(8.001,-0.445) 8.477,0.031 P4.1 ; P5.1 12.571,29.081 12.571,30.165 11.62,31.115 ; P8.1 19.646,30.265 v2(18.796,31.115) 11.62,31.115
  Top Layer w0.6: P6.1 29.391,7.844 30.226,8.679 v2(30.226,9.842)
  Top Layer w0.8: U6.3 23.622,22.59 v2(23.622,23.304)
  POWER w0.254: 23.622,27.051 24.575,26.098 28.067,26.098 28.892,26.924 30.175,26.924 v1(30.645,26.454)
  POWER w0.5: v2(3.81,27.432) 3.81,30.29 4.515,30.994 5.594,30.994 v2(5.651,31.051) ; v2@3.876,27.562 2.984,26.67 -1.079,26.67 -2.286,25.463 -2.286,14.072 v2(-1.143,12.929) -1.143,4.889 -0.318,4.064 1.333,4.064 3.746,1.651 3.746,0.127 4.318,-0.445 v2(8.001,-0.445) ; v2(18.796,31.115) 22.479,31.115 23.622,29.972 23.622,27.051 v2(23.622,23.304) 24.257,22.669 25.082,22.669 26.226,23.812 30.607,23.812 31.051,23.368 31.051,17.526 30.226,16.7 v2(30.226,9.842)
  Bottom Layer w0.127: 5.016,26.416 5.016,32.438 5.091,32.512 7.8,32.512 7.874,32.438 7.874,27.686 8.191,27.368 9.716,27.368 10.033,27.051 10.033,26.098 9.906,25.971 5.461,25.971 5.016,26.416
VCC_5V0_IN: D3.1 P1.A4 P1.A9 P1.B4 P1.B9 | length 33.3
  Top Layer w0.127: P1.A4@4.39,21.971 P1.A4 ; -0.445,25.082 0.572,24.066 0.572,23.177 1.841,21.907 1.841,17.843 2.73,16.954 3.238,16.954 3.619,16.573 5.134,16.573 5.207,16.646 5.207,17.081 5.08,17.209 3.619,17.209 2.222,18.605 2.222,21.018 2.476,21.273 3.365,21.273 3.556,21.463 5.143,21.463 5.207,21.526 5.207,21.971 5.143,22.034 3.581,22.034 3.228,21.681 2.772,21.681 2.349,22.103 2.349,22.479 1.333,23.495 1.333,26.352 1.206,26.479 -0.318,26.479 -0.445,26.352 -0.445,25.082
VCC_BAT: C26.2 C27.2 P2.1 P3.2 R6.2 U3.7 | length 87.7
  Top Layer w0.127: v1(26.362,27.569) v1@26.375,27.556 ; v1(27.114,28.321) v1@27.124,28.33 ; v2(31.305,16.066) v2@31.305,16.222 ; v1@26.162,27.495 26.162,27.749 26.924,28.511 27.178,28.511 28.035,27.654 29.4,26.289 29.4,21.336 29.654,21.082 30.924,21.082 31.305,20.701 31.305,18.288 31.559,18.034 31.64,17.954 31.64,15.765 31.496,15.621 31.115,15.621 30.972,15.764 30.972,17.288 30.607,17.653 28.258,17.653 28.199,17.711 28.13,17.78 28.13,18.161 28.258,18.288 29.781,18.288 30.099,18.605 30.099,19.812 29.845,20.066 28.258,20.066 28.003,20.32 28.003,25.654 27.019,26.638 26.226,27.432 v1@26.162,27.495
  Top Layer w0.254: R6.2 14.116,5.315 14.103,5.315 13.589,4.801 13.589,2.888 14.605,1.872 P2.1
  Top Layer w0.8: R6.2 v2(15.875,5.588)
  POWER w0.8: v2(15.875,5.588) 30.837,5.588 31.305,6.057 v2(31.305,16.066)
  Bottom Layer w0.127: 21.082,30.416 21.336,30.162 23.495,30.162 27.019,26.638 27.114,26.543 27.368,26.543 28.142,27.317 28.142,27.674 25.991,29.825 25.991,30.962 25.775,31.178 21.336,31.178 21.082,30.924 21.082,30.416
  other v1: 27.178,26.797 26.797,27.178 27.559,27.178 27.178,27.559 27.93,27.549 26.743,27.95 27.549,27.93
WS2812(PA8): P4.3 U1.29 | length 23.6
  Top Layer w0.127: P4.3@6.477,1.905 6.477,2.413 6.667,2.603 10.541,2.603 11.176,3.238 11.176,7.366 10.604,7.938 9.779,7.938 9.588,8.128 v1(9.588,8.636) ; v1@15.509,11.82 U1.29@15.509,12.791
  Bottom Layer w0.127: v1(9.588,8.636) 9.588,9.906 9.398,10.096 9.398,11.874 9.652,12.128 14.136,12.128 15.112,11.153 15.344,11.153 15.518,11.327 v1(15.518,11.811)
pads on no net: IC1.0 IC1.1 IC1.2 IC1.7 IC1.12 IC1.13 IC1.14 IC1.15 IC1.16 IC1.17 IC1.18 IC1.27 IC1.28 K1.0 M1.1 M2.1 M3.1 M4.1 P1.1 P1.A8 P1.B8 P2.0 P3.0 P3.7 P4.0 P5.0 P6.0 P7.0 P8.0 U1.4 U1.10 U1.21 U1.34 U1.37 U1.38 U1.39 U2.1 U2.2 U2.3 U2.4 U2.5 U2.6 U2.7 U2.11 U2.14 U2.15 U2.16 U2.17 U2.19 U2.21 U3.2 U3.3 U3.5
copper on no net: | length 30.1
  Bottom Layer w0.127: 13.081,22.034 13.081,25.357 13.315,25.59 15.557,25.59 15.748,25.4 15.748,25.019 15.938,24.828 17.209,24.828 17.272,24.765 17.399,24.638 17.399,21.907 17.209,21.717 16.447,21.717 13.399,21.717 13.335,21.78 13.081,22.034 ; 21.907,9.779 22.162,9.525 25.654,9.525 25.845,9.716 25.845,12.827 25.654,13.018 25.527,13.144 22.288,13.144 21.907,12.763 21.907,9.779

## Polygon pours and split planes (outlines as drawn)
GND on GND "GND_L02_P001" (solid, pour order 1): -3.5,0 ccw(c0,0) 0,-3.5 30.5,-3.5 ccw(c30.5,0) 34,0 34,30.5 ccw(c30.5,30.5) 30.5,34 0,34 ccw(c0,30.5) -3.5,30.5
GND on Bottom Layer "GND_L04_P002" (solid, pour order 2): -3.5,0 ccw(c0,0) 0,-3.5 30.5,-3.5 ccw(c30.5,0) 34,0 34,30.5 ccw(c30.5,30.5) 30.5,34 0,34 ccw(c0,30.5) -3.5,30.5
GND on Top Layer "GND_L01_P000" (solid, pour order 0): -3.5,0 ccw(c0,0) 0,-3.5 30.5,-3.5 ccw(c30.5,0) 34,0 34,30.5 ccw(c30.5,30.5) 30.5,34 0,34 ccw(c0,30.5) -3.5,30.5

## Other copper
Top Layer:
  region net GND: 26.993,18.731 27.08,18.818 27.08,19.335 27.278,19.533 28.83,19.533 28.995,19.368 28.995,19.031 28.931,18.967 28.694,18.731
  region net VCC_BAT: 28.13,17.78 28.199,17.711 28.258,17.653 30.607,17.653 30.972,17.288 30.972,15.764 31.115,15.621 31.496,15.621 31.64,15.765 31.64,17.954 31.559,18.034 31.305,18.288 31.305,20.701 30.924,21.082 29.654,21.082 29.4,21.336 29.4,26.289 28.035,27.654 27.178,28.511 26.924,28.511 26.162,27.749 26.162,27.495 26.226,27.432 27.019,26.638 28.003,25.654 28.003,20.32 28.258,20.066 29.845,20.066 30.099,19.812 30.099,18.605 29.781,18.288 28.258,18.288 28.13,18.161
  region net VCC_5V0_IN: 1.841,17.843 1.841,21.907 0.572,23.177 0.572,24.066 -0.445,25.082 -0.445,26.352 -0.318,26.479 1.206,26.479 1.333,26.352 1.333,23.495 2.349,22.479 2.349,22.103 2.772,21.681 3.228,21.681 3.581,22.034 5.143,22.034 5.207,21.971 5.207,21.526 5.143,21.463 3.556,21.463 3.365,21.273 2.476,21.273 2.222,21.018 2.222,18.605 3.619,17.209 5.08,17.209 5.207,17.081 5.207,16.646 5.134,16.573 3.619,16.573 3.238,16.954 2.73,16.954
  region net VCC_BAT: 28.13,17.78 28.199,17.711 28.258,17.653 31.051,17.653 31.305,17.907 31.305,20.701 30.924,21.082 29.654,21.082 29.4,21.336 29.4,26.289 27.178,28.511 26.924,28.511 26.162,27.749 26.162,27.495 27.019,26.638 28.003,25.654 28.003,20.32 28.258,20.066 29.845,20.066 30.099,19.812 30.099,18.605 29.781,18.288 28.258,18.288 28.13,18.161
Bottom Layer:
  pour cut-out: 21.907,9.779 22.162,9.525 25.654,9.525 25.845,9.716 25.845,12.827 25.654,13.018 25.527,13.144 22.288,13.144 21.907,12.763
  pour cut-out: 13.335,21.78 13.081,22.034 13.081,25.357 13.315,25.59 15.557,25.59 15.748,25.4 15.748,25.019 15.938,24.828 17.209,24.828 17.272,24.765 17.399,24.638 17.399,21.907 17.209,21.717 13.399,21.717
  region net VCC_BAT: 21.336,30.162 21.082,30.416 21.082,30.924 21.336,31.178 25.775,31.178 25.991,30.962 25.991,29.825 28.142,27.674 28.142,27.317 27.368,26.543 27.114,26.543 27.019,26.638 23.495,30.162
  region net VCC_5V0: 5.016,26.416 5.016,32.438 5.091,32.512 7.8,32.512 7.874,32.438 7.874,27.686 8.191,27.368 9.716,27.368 10.033,27.051 10.033,26.098 9.906,25.971 5.461,25.971
  region net NetC19_1: 12.446,27.368 11.049,28.765 11.049,32.512 13.843,32.512 13.906,32.448 13.906,28.829 14.097,28.639 20.701,28.639 21.209,29.146 21.209,29.643 21.347,29.781 23.21,29.781 23.368,29.624 23.368,25.374 23.14,25.146 19.875,25.146 19.542,25.479 19.542,27.009 19.183,27.368

## Silkscreen, mask and mechanical layers (free items; w line width, h text height)
Top Overlay:
  lines w0.16: 21.643,14.341 21.653,14.351 ; 21.643,14.351 21.643,13.79 21.989,13.444 26.981,13.444 27.253,13.171 27.253,12.126 27.441,11.938 27.813,11.938 ; 27.559,11.684 27.813,11.938 ; 27.559,12.192 27.813,11.938 ; 21.207,14.351 21.207,15.301 21.606,15.7 27.305,15.7 27.305,14.351 21.207,14.351
  text "1RTG+" at 8.636,28.053 h1.5 r180
  text "2RTG+" at 15.811,27.99 h1.5 r180
  text "1CDG+" at 22.924,27.99 h1.5 r180
  text "+5" at 28.067,25.031 h1.5
  text "S1" at 28.067,23.382 h1.5
  text "S2" at 28.067,21.794 h1.5
  text "AN1234BG" at 21.463,14.619 h1.5
  text "BLG+" at 10.541,7.57 h1.5
  text "VoGB" at 13.652,7.57 h1.5
  text "ViG+" at 27.863,5.397 h1.5 r90
  text "BOOT" at 0,4.459 h1.5
Bottom Overlay:
  drawing of 5 lines, arcs and shapes, not listed
  text "BETAFLIGHT" at 24.257,7.504 h0.9
  text "Lesterbor" at 26.035,5.543 h2
Mechanical 1:
  the board outline again, w0.254

## Text inside footprints (layer, text, board x,y; h text height)
P1: Top Overlay "USB" at 0.762,21.082 h1.27 r270